# Altium PCB uAMDC.PcbDoc (part 5 of 6) (continued)
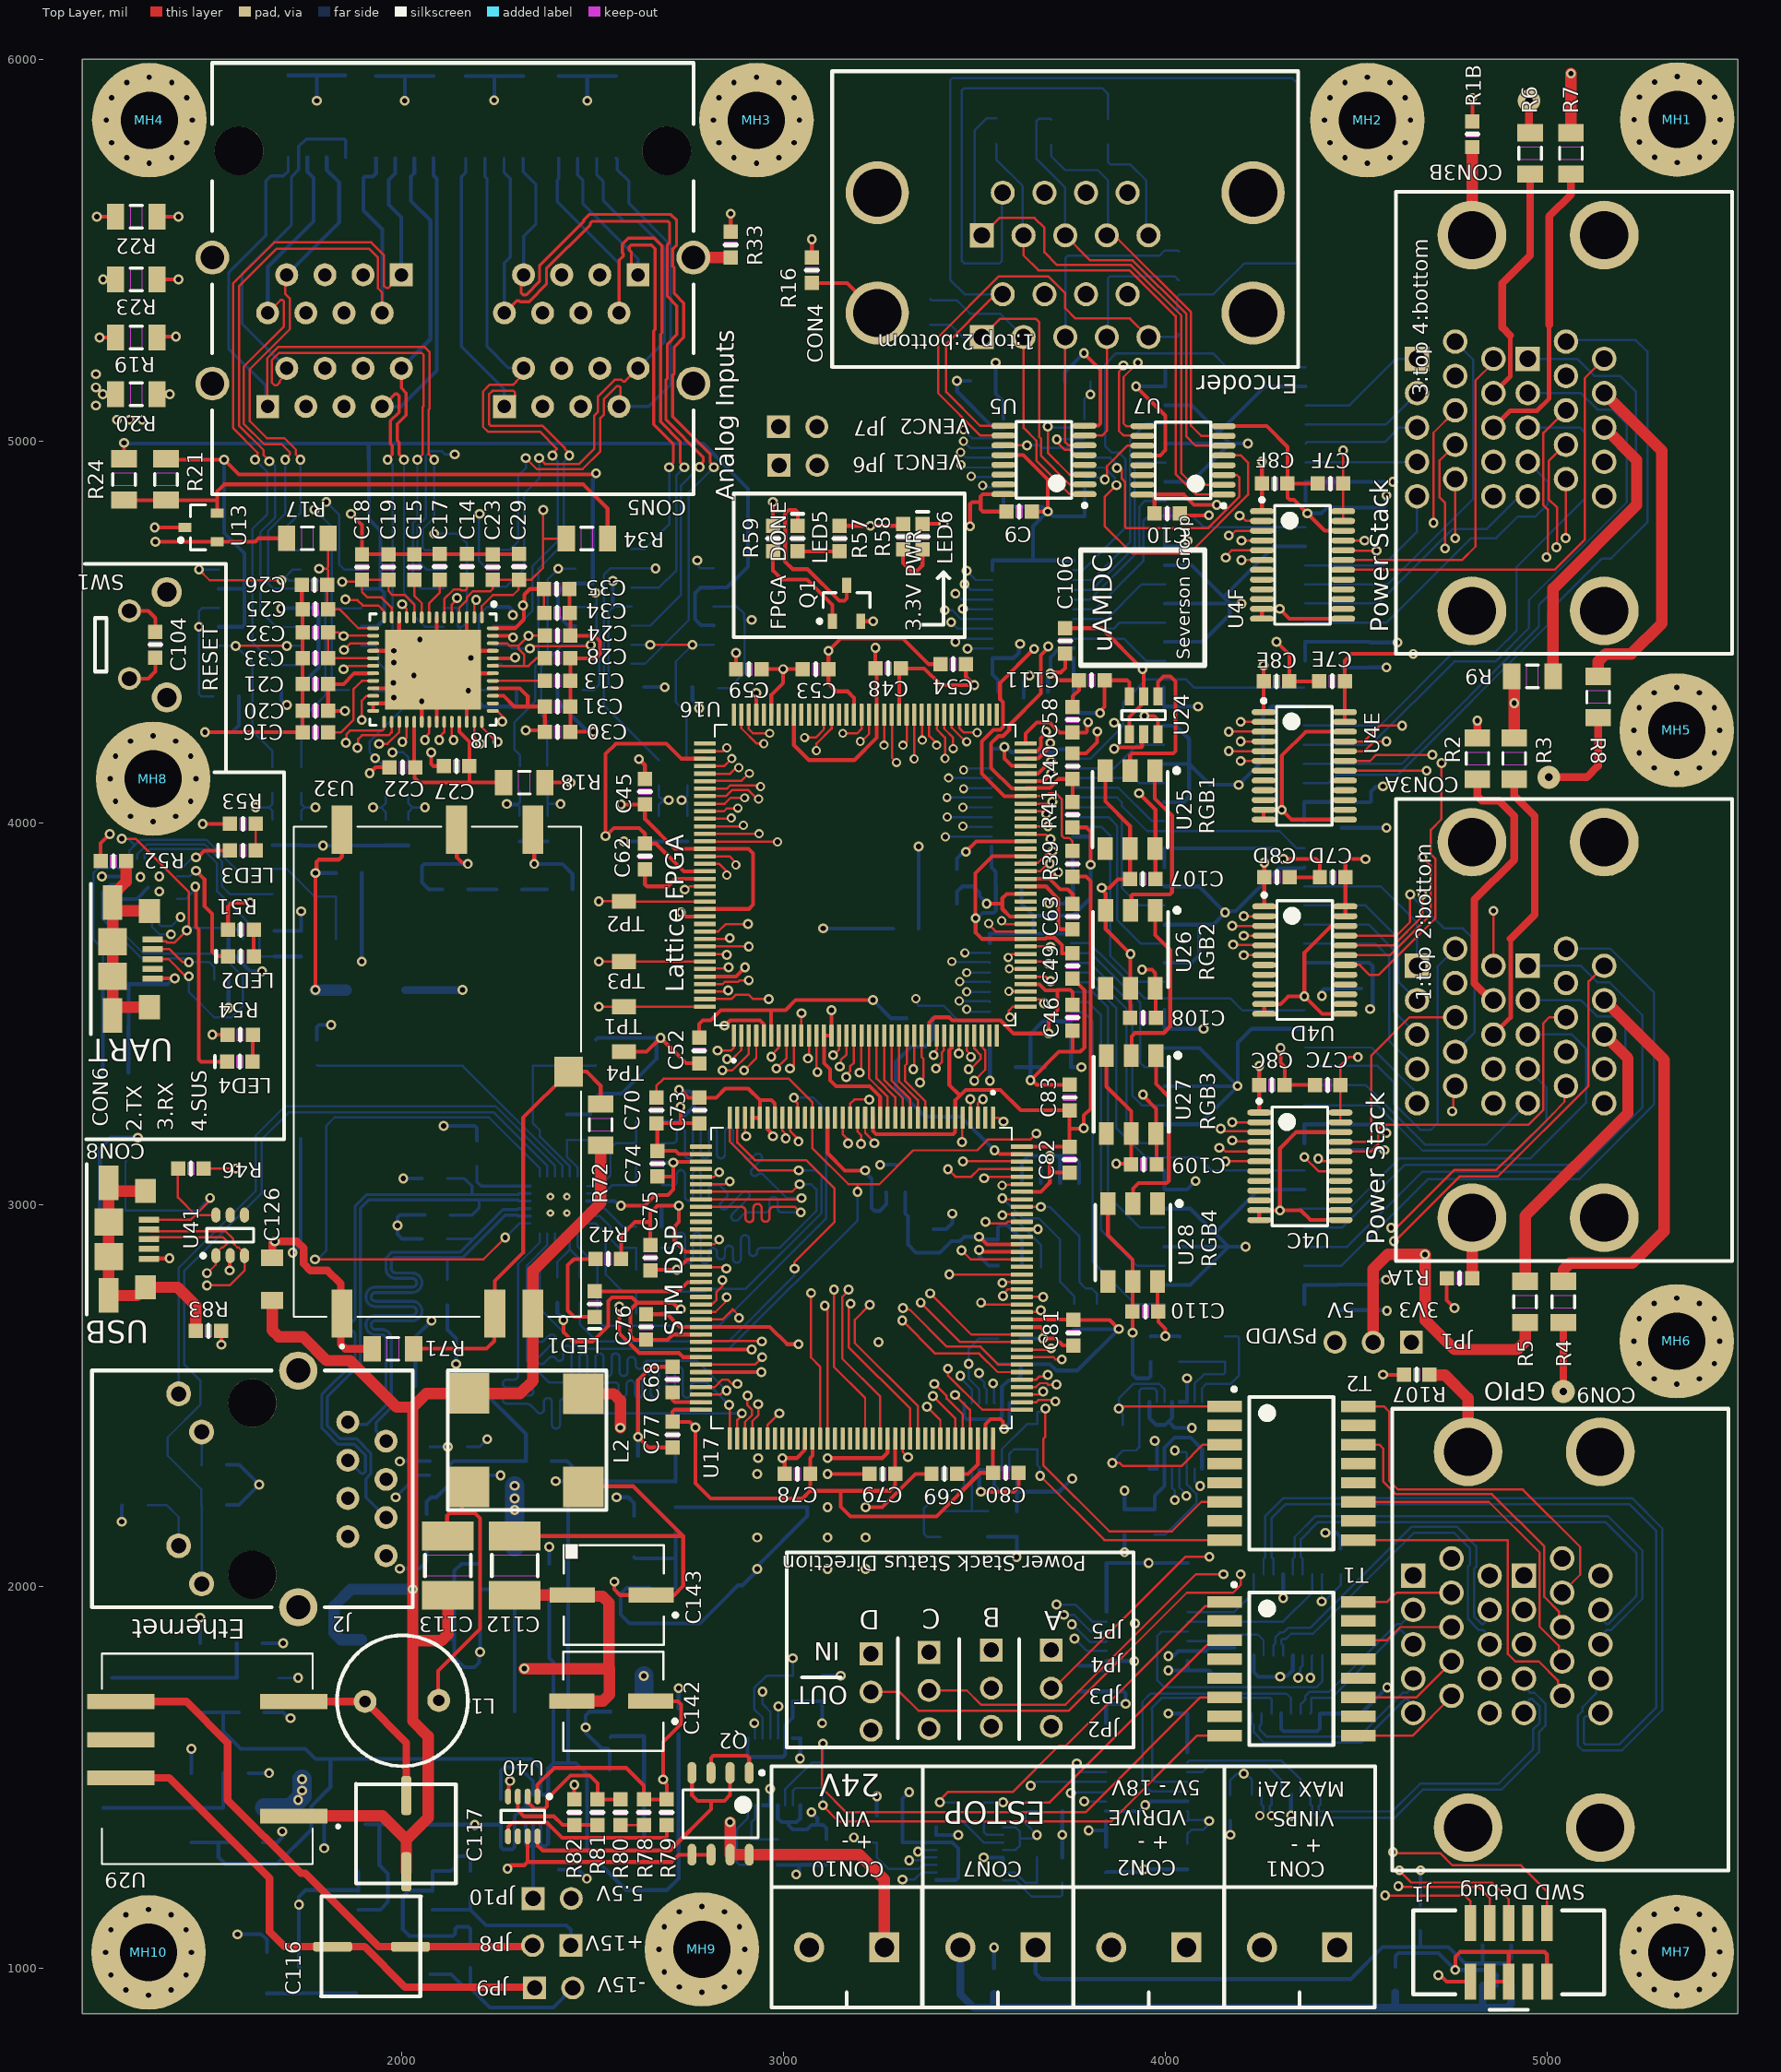
[diagram p0: Top Layer view]
## Nets (pads, with @x,y where several pads share a name; then routed paths per layer and width w, separated by ;. In a path a pad name is that pad's centre, name@x,y a point inside that pad or via, vN(x,y) a via of type N, cw(c..) or ccw(c..) an arc to the next point about the centre after c; other vN are vias at no path point) (continued)
  Bottom Layer w6: v2(3353.02,1305) 3356.57,1308.55 3400.04,1308.55 U20A.5@3400.8,1309.32
SPI1_SCLK: U17.126 U20A.4 | length 1780.5
  Top Layer w6: v2(3574.08,2794.76) 3576.39,2797.08 U17.126@3624.87,2797.08
  Int3 (Sign) w6: v2(3330,1282) 3289,1323 3289,2475.92 3552.08,2738.99 3552.08,2781.77 3567.09,2796.78 3569.11,2794.76 v2(3574.08,2794.76)
  Bottom Layer w6: v2(3330,1282) 3361.14,1282 3368.77,1289.63 U20A.4@3400.8,1289.63
SPI2_IM: CON9.10A T1.9 | length 288.8
  Top Layer w6: T1.9@4506,1609 4648.98,1609 4750,1710.02 CON9.10A@4750,1713
SPI2_IP: CON9.9A T1.11 | length 284.7
  Top Layer w6: T1.11@4506,1709 4658.98,1709 4750,1800.02 CON9.9A@4750,1803
SPI2_MISO: R47B.1 U17.28 U20B.3 | length 1765.3
  Top Layer w6: U17.28@3017.78,3227 3017.93,3226.84 3017.93,3192.79 3040,3170.72 v2(3040,3165)
  Int3 (Sign) w6: v2(3025.21,1811.5) 3025.21,2476.95 2985.5,2516.66 2985.5,3106.7 3040,3161.2 v2(3040,3165)
  Bottom Layer w6: U20B.3@2946.47,1601.6 2946.47,1655.83 2924,1678.3 2924,1733.24 2956.23,1765.46 R47B.1@3025.21,1765.46 v2(3025.21,1811.5)
SPI2_MOSI: U17.29 U20B.2 | length 1666.7
  Top Layer w6: U17.29@2998.09,3227 2998.39,3226.7 2998.39,3192.93 3009.95,3181.37 3006.58,3178 v2(3006.58,3173.03)
  Int3 (Sign) w6: v2(2924.47,1641.33) 2924.47,1670.39 2968,1713.91 2968,3134.46 v2(3006.58,3173.03)
  Bottom Layer w6: v2(2924.47,1641.33) 2926.02,1639.78 2926.02,1602.36 U20B.2@2926.79,1601.6
SPI2_NSS: U17.140 U20B.5 | length 1791.6
  Top Layer w6: v2(3526.3,3068.65) 3531.71,3068.65 3535.74,3072.67 U17.140@3624.87,3072.67
  Int3 (Sign) w6: v1(2987.51,1685.34) 3080,1777.83 3080,1841.78 3151,1912.78 3151,2498.37 3491.15,2838.52 3491.15,3034.23 3525.57,3068.65 v2(3526.3,3068.65)
  Bottom Layer w6: U20B.5@2985.84,1601.6 2986.61,1602.36 2986.61,1684.44 v1(2987.51,1685.34)
SPI2_SCLK: U17.117 U20B.4 | length 1968.8
  Top Layer w6: U17.117@3624.87,2619.91 3698.91,2619.91 v1(3702,2623)
  Int2 (Sign) w6: v2(3249.59,2639.59) 3249.59,2634.96 3261.55,2623 v1(3702,2623)
  Int3 (Sign) w6: v1(2946,1724.13) 2907.72,1685.84 2907.72,1669.3 2902.47,1664.06 2902.47,1632.22 2915.36,1619.33 2933.59,1619.33 2965.51,1651.26 2965.51,1694.46 2993.13,1722.07 2993.13,1724.13 3068,1799 3068,1858.99 3139,1929.99 3139,2528 3249.59,2638.59 v2(3249.59,2639.59)
  Bottom Layer w6: v1(2946,1724.13) 2946.47,1723.65 2946.47,1691.21 2966.16,1671.53 U20B.4@2966.16,1601.6
SPI3_IM: CON9.8B T2.14 | length 878.4
  Top Layer w6: T2.14@4506,2371 4561,2371 4571,2361 4571,2275 4605,2241 4856,2241 4993,2104 4993,1972.02 5031.02,1934 5031.02,1901.98 CON9.8B@5040,1893
SPI3_IP: CON9.7B T2.16 | length 978.9
  Top Layer w6: T2.16@4506,2471 4573,2471 4587,2457 4587,2275.97 4609.97,2253 4937,2253 5087,2103 5087,2030 CON9.7B@5040,1983
SPI3_MISO: R47C.1 U17.112 U20C.3 | length 800.3
  Top Layer w6: U17.112@3624.87,2521.49 3661.5,2521.49 3671.89,2531.87 3690.11,2531.87 3693.99,2528 v2(3716,2528)
  Int3 (Sign) w6: v2(3716,2528) 3856.98,2528 4025.42,2359.55 v1@4025.42,2355.46
  Bottom Layer w6: R47C.1@3972.74,2134.66 3999.93,2134.66 4082.05,2216.79 4082.05,2241.44 4057.53,2265.97 U20C.3@4057.53,2307.68 4057.53,2348.12 4054.01,2351.64 4029.25,2351.64 v1(4025.45,2355.44)
SPI3_MOSI: U17.122 U20C.2 | length 745.8
  Top Layer w6: U17.122@3624.87,2718.34 3665.27,2718.34 3669.59,2722.65 v2(3675,2722.65)
  Int3 (Sign) w6: v2(3675,2722.65) 3678.65,2719 3693,2719 4092,2320 v2(4092,2262.61)
  Bottom Layer w6: U20C.2@4077.21,2307.68 4077.21,2274.79 4089.39,2262.61 v2(4092,2262.61)
SPI3_NSS: U17.110 U20C.5 | length 597.2
  Top Layer w6: U17.110@3624.87,2482.12 3662.86,2482.12 3668.62,2487.87 3680.68,2487.87 3680.83,2487.72 3709.28,2487.72 v2(3713,2484)
  Int3 (Sign) w6: v2(3713,2484) 3767.24,2484 v1(4025.65,2225.59)
  Bottom Layer w6: U20C.5@4018.16,2307.68 4018.16,2258.19 4025.83,2250.51 4025.83,2225.78 v1(4025.65,2225.59)
SPI3_SCLK: U17.111 U20C.4 | length 625.6
  Top Layer w6: U17.111@3624.87,2501.8 3667.52,2501.8 3675.59,2509.87 v2(3681,2509.87)
  Int3 (Sign) w6: v2(3681,2509.87) 3684.87,2506 3786.38,2506 v1(4055.64,2236.74)
  Bottom Layer w6: U20C.4@4037.84,2307.68 4037.84,2258.31 4055.64,2240.51 v1(4055.64,2236.74)
SPI4_IM: CON9.10B T2.9 | length 894.8
  Top Layer w6: T2.9@4506,2121 4897.37,2121 4897.37,1822.63 4917,1803 4979,1803 5028.9,1753.1 5028.9,1724.1 CON9.10B@5040,1713
SPI4_IP: CON9.9B T2.11 | length 839.7
  Top Layer w6: T2.11@4506,2221 4848,2221 4980.8,2088.2 4980.8,2063.92 4981,2063.73 4981,1992.27 4980.8,1992.08 4980.8,1942 cw(c4940,1938) 4980.8,1934 4980.8,1894.21 5031.02,1844 5031.02,1811.98 CON9.9B@5040,1803
SPI4_MISO: R47D.1 U17.4 U20D.3 | length 1085.1
  Top Layer w6: U17.4@3490.22,3227 v2(3490.22,3276)
  Int3 (Sign) w6: v1(3485.94,2582.41) 3610,2706.47 3610,3042.83 3490.22,3162.61 v2(3490.22,3276)
  Bottom Layer w6: U20D.3@3513.47,2479.6 3513.47,2515.9 3485.94,2543.43 v1(3485.94,2582.41) 3485.94,2621.38 3513.15,2648.59 R47D.1@3562.94,2648.59
SPI4_MOSI: U17.5 U20D.2 | length 871.9
  Top Layer w6: v2(3468.22,3163.72) 3469.38,3164.88 3469.38,3225.84 U17.5@3470.54,3227
  Int3 (Sign) w6: v2(3463.94,2551.17) 3461.97,2553.15 3461.97,2595.52 3598,2731.55 3598,2881.65 3552.08,2927.57 3552.08,3078.14 3470.54,3159.68 3470.54,3161.41 v2(3468.22,3163.72)
  Bottom Layer w6: v2(3463.94,2551.17) 3463.94,2546.2 3463.69,2545.95 3493.79,2515.86 U20D.2@3493.79,2479.6
SPI4_NSS: U17.3 U20D.5 | length 962.3
  Top Layer w6: U17.3@3509.91,3227 3509.91,3265.65 3520.25,3276 v1(3523.1,3276)
  Int3 (Sign) w6: v1(3523.1,3276) 3524.1,3277 3566.4,3277 3635,3208.4 3635,2616.66 v2(3549.68,2531.34)
  Bottom Layer w6: v2(3549.68,2531.34) 3552.08,2528.94 3552.08,2480.36 U20D.5@3552.84,2479.6
SPI4_SCLK: U17.1 U20D.4 | length 848.5
  Top Layer w6: U17.1@3549.28,3227 3563.79,3227 3573.79,3217 v1(3577,3217)
  Int3 (Sign) w6: v1(3513.15,2558.26) 3564.53,2609.64 3575.45,2609.64 3623,2657.19 3623,3107.21 3577,3153.21 v1(3577,3217)
  Bottom Layer w6: v1(3513.15,2558.26) 3513.15,2547.34 3526.7,2533.79 3526.7,2521.63 3533.16,2515.17 U20D.4@3533.16,2479.6
SWCLK: J1.4 U17.109 | length 2410.5
  Top Layer w6: v2(3431.17,2570) 3431.17,2552.83 3521.57,2462.43 U17.109@3624.87,2462.43 ; v2(4611,1214.48) 4613.48,1212 4822.22,1212 4850,1184.22 J1.4@4850,1117.77
  Int3 (Sign) w6: v2(3431.17,2570) 3432.14,2569.03 3432.14,2551.86 3472,2512 3472,2429.21 4062.88,1838.33 4062.88,1762.6 v2(4611,1214.48)
SWDIO: J1.2 U17.105 | length 2195
  Top Layer w6: v2(3450,2500.94) 3488.95,2462 3488.95,2388.12 U17.105@3490.22,2386.84 ; v2(4576,1190) 4784,1190 4800,1174 J1.2@4800,1117.77
  Int3 (Sign) w6: v2(3450,2500.94) 3450,2417.59 4050.88,1816.71 4050.88,1715.12 v2(4576,1190)
SWO: J1.6 U17.133 | length 2617
  Top Layer w6: U17.133@3624.87,2934.87 U17.133@3624.87,2934.87 3666.94,2934.94 v2(3667,2935) ; v2@4613.48,1255 4644.48,1224 4856,1224 4900,1180 J1.6@4900,1117.77
  Int3 (Sign) w6: v2(3667,2935) 3860.02,2741.98 4071.02,2741.98 4245,2568 4245,1624.66 4594.16,1275.5 v2(4613.89,1255.77)
TX_N: J2.2 R85.1 U42.4 U43.20 | length 1784.2
  Int3 (Sign) w8: J2.2@1960,2380 2021.98,2380 2065.48,2423.5 2186.59,2423.5 v2(2225,2385.09)
  Bottom Layer w8: J2.2@1960,2380 1960,2380.77 1934,2406.77 1934,2428.19 1974,2468.19 1974,2495.9 1974,2647 ccw(c1948.5,2647) 1948.5,2672.5 1932.5,2672.5 cw(c1932.5,2684) 1932.5,2695.5 2028.5,2695.5 ccw(c2028.5,2721) 2028.5,2746.5 1932.5,2746.5 cw(c1932.5,2758) 1932.5,2769.5 2028.5,2769.5 ccw(c2028.5,2795) 2028.5,2820.5 1985.5,2820.5 cw(c1985.5,2832) 1974,2832 1974,2843 1974,2854 1981,2861 2120.46,2861 ; R85.1@2120.46,2802.96 2120.46,2861 ; U42.4@2173.21,2365.4 2205.32,2365.4 v2(2225,2385.09) ; U43.20@2337.2,2969.47 2306,2969.47 2303.16,2972.31 2272.31,2972.31 2161,2861 2120.46,2861
TX_P: J2.1 R90.1 U42.3 U43.21 | length 1843
  Int3 (Sign) w8: J2.1@1860,2430 1861.4,2428.6 1861.4,2388 1909.4,2340 1976.57,2340 1998.57,2362 2118.6,2362 v1(2122,2365.4)
  Bottom Layer w8: J2.1@1860,2430 1866.07,2423.93 1909.94,2423.93 1960,2473.99 1960,2495.9 1960,2647 ccw(c1948.5,2647) 1948.5,2658.5 1932.5,2658.5 cw(c1932.5,2684) 1932.5,2709.5 2028.5,2709.5 ccw(c2028.5,2721) 2028.5,2732.5 1932.5,2732.5 cw(c1932.5,2758) 1932.5,2783.5 2028.5,2783.5 ccw(c2028.5,2795) 2028.5,2806.5 1985.5,2806.5 cw(c1985.5,2832) 1960,2832 1960,2843 1960,2859.8 1975.2,2875 2155.2,2875 2190.2,2910 ; U42.3@2074.79,2365.4 v1(2122,2365.4) ; R90.1@2120.46,2910 2190.2,2910 ; U43.21@2337.2,2989.16 2306,2989.16 2303.16,2986.31 2266.52,2986.31 2190.2,2910
UART_USB_D_N: CON6.2 U21.4 U22.3 | length 610.1
  Top Layer w6: CON6.2@1349.32,3668.32 1393.47,3668.32 1427.04,3634.75 v1(1443.8,3634.75)
  Bottom Layer w6: U21.4@1261.37,3839.63 1238.18,3839.63 1216.22,3817.67 1216.22,3748.78 1320.25,3644.75 1430.29,3644.75 1440.29,3634.75 1496.95,3634.75 1510.2,3621.49 U22.3@1510.2,3589.57
UART_USB_D_P: CON6.3 U21.3 U22.1 | length 929.2
  Top Layer w6: CON6.3@1349.32,3642.72 1390.56,3642.72 1435.83,3597.45 v1(1443.8,3597.45)
  Bottom Layer w6: U21.3@1261.37,3819.94 1236.2,3819.94 1228.22,3811.97 1228.22,3753.75 1325.22,3656.75 1525.71,3656.75 1585.01,3597.45 1585.01,3520.01 1555,3490 1510,3490 1443.8,3556.2 v1(1443.8,3597.45)
USB_D_N: CON8.2 U17.103 U41.3 | length 2647.5
  Top Layer w6: CON8.2@1338.86,2934.57 1343.65,2929.78 1539.87,2929.78 1560,2909.65 1560,2898.05 1570.48,2887.57 1573.82,2887.57 1589.4,2871.99 U41.3@1589.4,2865.85 1589.4,2827 1550.53,2788.13 v2(1491,2788.13) ; v2(3392,2498) 3450.85,2439.15 U17.103@3450.85,2386.84
  Int2 (Sign) w6: v2(1491,2788.13) 1496.41,2788.13 1504.41,2796.13 1527.66,2796.13 1534.79,2789 1566.27,2789 1573.39,2796.13 2427.72,2796.13 2541.69,2682.16 2830.95,2682.16 2873.76,2724.97 2941.24,2724.97 2980.21,2686 3149.45,2686 3171.19,2664.25 3195.55,2639.89 3329.45,2506 3378.59,2506 3386.59,2498 v2(3392,2498)
USB_D_P: CON8.3 U17.104 U41.1 | length 2567.4
  Top Layer w6: CON8.3@1338.86,2908.98 1343.65,2913.78 1533.24,2913.78 1544,2903.02 1544,2898.05 1533.52,2887.57 1530.18,2887.57 1514.6,2871.99 U41.1@1514.6,2865.85 1513.59,2864.85 1513.59,2841.55 1492.17,2820.13 v2(1491,2820.13) ; v2(3396,2530) 3398,2530 3398,2528 3428,2498 3428,2491.83 3470.54,2449.3 U17.104@3470.54,2386.84
  Int2 (Sign) w6: v2(1491,2820.13) 1496.41,2820.13 1504.41,2812.13 1534.29,2812.13 1541.41,2805 1559.64,2805 1566.77,2812.13 2434.34,2812.13 2548.31,2698.16 2824.32,2698.16 2867.13,2740.97 2947.87,2740.97 2986.84,2702 3156.07,2702 3336.07,2522 3382.59,2522 3390.59,2530 v2(3396,2530)
USB_OTG_FS_VBUS: R46.1 U17.101 | length 2625.6
  Top Layer w6: R46.1@1482.48,3094 v1(1567,3094) ; v2(3376.43,2470.05) 3411.48,2434.99 U17.101@3411.48,2386.84
  Int2 (Sign) w6: v1(1567,3094) 1567,3068 1556.5,3057.5 1476.5,3057.5 1466,3047 1466,2776.89 1579.89,2663 3155.48,2663 3348.43,2470.05 v2(3376.43,2470.05)
USB_UART_RXD: U17.34 U21.20 | length 1924.8
  Top Layer w6: U17.34@2899.67,3227 2899.67,3182.01 v2(2902.9,3178.78)
  Int2 (Sign) w6: v2(1421.8,3752.52) 1635.36,3752.52 1707.89,3680 2011,3680 2368.56,3322.44 2877.11,3322.44 2902.9,3296.65 v2(2902.9,3178.78)
  Bottom Layer w6: U21.20@1366.69,3754 1366.69,3732.77 1370.2,3729.25 1398.53,3729.25 v2(1421.8,3752.52)
USB_UART_TXD: U17.139 U21.21 | length 2590.7
  Top Layer w6: v3(3573.08,3050.05) 3575.35,3052.33 3624.21,3052.33 U17.139@3624.87,3052.98
  Int2 (Sign) w6: v2(1396.78,3707.25) 1441.2,3662.84 1998.16,3662.84 2529.41,3131.59 3243.11,3131.59 3246.25,3134.73 3491.33,3134.73 3573.08,3052.98 v3(3573.08,3050.05)
  Bottom Layer w6: U21.21@1347,3754 1347,3727.13 1366.38,3707.75 1396.29,3707.75 v2(1396.78,3707.25)
V_AA: R35A.2 U14A.2 U14A.13 | length 572.2
  Top Layer w6: v2(1566.01,4463) v1(1700.5,4463)
  Bottom Layer w6: U14A.2@1521.72,4463 v2(1566.01,4463) 1610,4419.01 1610,4240.75 1662.75,4188 R35A.2@1662.75,4145.46 ; v1(1700.5,4463) U14A.13@1736.28,4463
V_AB: R35B.2 U14B.2 U14B.13 | length 735
  Bottom Layer w6: U14B.2@1895.72,4463 1931.49,4463 1940.01,4454.48 1940.01,4419.32 1962.01,4397.32 1997.42,4397.32 ; R35B.2@1958.75,4142.59 1932.36,4168.98 v2(1931.7,4168.98) 1931.7,4170.48 1916.89,4185.29 1916.89,4212 2010,4305.11 2010,4384.74 1997.42,4397.32 ; U14B.13@2110.28,4463 2144.31,4463 2147.83,4459.49 2147.83,4404.38 2134.6,4391.16 2063.32,4391.16 2041.36,4413.12 2007,4413.12 1997.42,4403.53 1997.42,4397.32
V_BA: R36A.2 U14A.6 U14A.9 | length 953.6
  Top Layer w6: v2(1470,4663) 1498,4635 v1(1686.47,4635)
  Bottom Layer w6: v2(1470,4663) U14A.6@1521.72,4663 ; v1(1686.47,4635) 1688.2,4635 1696.66,4643.46 ; U14A.9@1736.28,4663 1716.2,4663 1696.66,4643.46 ; R36A.2@1737.75,4145.46 1738,4145.72 1738,4270.73 1801,4333.73 1801,4615.87 1782.87,4634 1706.11,4634 1696.66,4643.46
V_BB: R36B.2 U14B.6 U14B.9 | length 2141.3
  Int4 (PWR) w6: v1(1803.66,4840) 1783.66,4860 ; v2(1977,4184) 1977,4226.48 1960.65,4242.83 1847.17,4242.83 1736,4354 1736,4841 1755,4860 1783.66,4860 ; v2(2140,4964.51) 2116.98,4987.53 1821.19,4987.53 1783.66,4950 1783.66,4860
  Bottom Layer w6: v1(1803.66,4840) 1803.66,4838.67 1804.99,4838.67 1837.66,4806 1837.66,4675.97 1850.63,4663 U14B.6@1895.72,4663 ; v2(1977,4184) 2005.1,4184 2018.75,4170.35 R36B.2@2018.75,4142.59 ; U14B.9@2110.28,4663 2065.99,4663 2042,4686.99 2042,4775.87 2064,4797.87 2064,4960.11 2076.89,4973 2106.05,4973 2114.54,4964.51 v2(2140,4964.51)
V_CA: R37A.2 U15A.2 U15A.13 | length 1060.4
  Int3 (Sign) w6: v2(2205,4808.87) 2205.36,4809.23 2227,4809.23 2238.77,4821 2254.99,4821 v2(2410.99,4665)
  Bottom Layer w6: v2(2205,4808.87) 2203.17,4807.04 2203.17,4685.81 2223.98,4665 U15A.13@2240.72,4665 ; R37A.2@2311,4148.34 2311,4176.89 2296,4191.89 2296,4262.49 2350.3,4316.79 2350.3,4409.96 2383.43,4443.1 2383.43,4637.44 v2(2410.99,4665) U15A.2@2455.28,4665
V_CB: R37B.2 U15B.2 U15B.13 | length 864.1
  Int2 (Sign) w6: v2(2666,4666) 2754,4666 v2(2775,4687)
  Bottom Layer w6: v2(2666,4666) U15B.13@2603.43,4666 2546.81,4666 2530,4649.19 2530,4308.34 R37B.2@2674,4164.34 ; v2(2775,4687) 2778.83,4683.17 2778.83,4670.85 2783.68,4666 U15B.2@2818,4666
V_DA: R38A.2 U15A.6 U15A.9 | length 681.9
  Top Layer w6: v2(2336.95,4456.05) 2342.78,4461.88 2492.77,4461.88 v1(2496,4465.12)
  Bottom Layer w6: U15A.9@2240.72,4465 2281.84,4465 2290.79,4456.05 v2(2336.95,4456.05) ; R38A.2@2382,4149.34 2382,4266.65 2366.25,4282.4 2366.25,4408.95 2422.36,4465.06 2455.34,4465.06 2495.94,4465.06 v1(2496,4465.12)
V_DB: R38B.2 U15B.6 U15B.9 | length 546.7
  Top Layer w6: v2(2651.9,4466) v2(2762.54,4466)
  Bottom Layer w6: U15B.9@2603.43,4466 v2(2651.9,4466) ; R38B.2@2749,4164.34 2746.83,4166.51 2746.83,4287.88 2719,4315.71 2719,4422.46 v2(2762.54,4466) U15B.6@2818,4466
VDDPS: C7C.1 C7D.1 C7E.1 C7F.1 JP1.2 R3.2 R5.2 R7.2 R9.2 U4C.23 U4C.24 U4D.23 U4D.24 U4E.23 U4E.24 U4F.23 U4F.24 | length 6177
  Top Layer w6: U4C.23@4459.3,3215.16 U4C.24@4459.3,3240.75 C7C.1@4459.3,3313 4459.3,3364.3 4481,3386 v1(4505,3386) ; U4F.23@4466.3,4790.16 U4F.24@4466.3,4815.75 C7F.1@4466.3,4887.98 v1(4466.3,4975)
  Top Layer w10: U4E.23@4471,4264 U4E.24@4471,4289.59 C7E.1@4471,4370.24 4471,4424 4489,4442 v1(4650,4442) ; U4D.23@4472.3,3755.16 U4D.24@4472.3,3780.75 C7D.1@4472.3,3856.83 4472.3,3895 4481.84,3904.54 v1(4525,3904.54)
  Top Layer w30: JP1.2@4545,2639 4545,2831 4583,2869 v2(4681,2869) 4681,2697 4758,2620 4922.45,2620 4943,2640.55 R5.2@4943,2690.61 ; R9.2@4907.87,4383.13 4914.54,4376.46 v2(4914.54,4313.25) R3.2@4914.54,4222.13 ; R7.2@5063,5807.13 v1(5063,5962)
  Int4 (PWR) w30: v1(4466.3,4975) 4510,4975 ; v1(4505,3386) 4570.89,3386 ; v1(4525,3904.54) 4567.54,3904.54 4570.89,3907.89 ; v2(4681,2869) 4681,3169.05 4638.05,3212 4570.89,3279.16 4570.89,3386 ; v2(4914.54,4313.25) 4797.25,4313.25 4751,4267 ; v1(5063,5962) 4771,5962 4713,5904 4713,5605.43 4510,5402.43 4510,4975 ; 4510,4975 4510,4878.98 4650,4738.98 v1(4650,4442) 4650,4368 4751,4267 ; 4570.89,3386 4570.89,3907.89 ; 4570.89,3907.89 4758,4095 4758,4260 4751,4267
VDRIVE: C2A.1 C2B.1 C2C.1 C3A.1 C3B.1 C3C.1 C5A.1 C5B.1 C5C.1 C6A.1 C6B.1 C6C.1 CON2.1 U1A.15 U1A.16 U1B.15 U1B.16 U1C.15 U1C.16 U3A.15 U3A.16 U3B.15 U3B.16 U3C.15 U3C.16 | length 7592.8
  Int3 (Sign) w10: v1(4536.89,3511.78) 4609,3511.78 ; v1(4570.89,4095) 4571.74,4094.15 4609,4094.15 ; v1(4580,3187) 4609,3187
  Int3 (Sign) w20: CON2.1@4056,1054 4056,993.86 4102.86,947 5043,947 5150,1054 5150,1196 5340,1386 5340,2388 4925.29,2802.71 4645,2802.71 ; v2(4579,2802.71) 4645,2802.71 ; v1(4597,4893) 4597,4891.38 4609,4879.38 v1(4609,4472) 4609,4338.83 4592,4321.83 4592,4241.83 4609,4224.83 4609,4094.15 4609,3511.78 4609,3187 4609,3158 4645,3122 4645,2802.71
  Bottom Layer w10: U3B.16@4363.93,4004 U3B.15@4363.93,4054 4461.46,4054 C5B.1@4462,4053.46 C6B.1@4537,4053.46 4539.3,4055.76 4539.3,4081.31 4552.14,4094.15 4570.04,4094.15 v1(4570.89,4095) ; U3C.16@4364.93,3160 U3C.15@4364.93,3210 4450.46,3210 C5A.1@4451,3209.46 C6A.1@4518,3209.46 4574,3209.46 4576.94,3206.53 4576.94,3190.06 v1(4580,3187) ; U1B.16@4364.93,3583 U1B.15@4364.93,3633 4451.46,3633 C2C.1@4453,3631.46 4454,3632.46 C3C.1@4514,3632.46 4514.54,3633 4534.96,3633 4543.7,3624.26 4543.7,3517.64 4537.84,3511.78 v1(4536.89,3511.78) ; U1C.16@4365,2739 U1C.15@4365,2789 C5C.1@4453,2789 4454.34,2790.34 C6C.1@4520,2790.34 4553.38,2790.34 4565.75,2802.71 v2(4579,2802.71) ; U1A.16@4366.93,4424 U1A.15@4366.93,4474 4465.59,4474 C3B.1@4466,4473.59 4466.13,4473.46 C2B.1@4536,4473.46 4536.54,4474 4538.54,4472 v1(4609,4472) ; U3A.16@4367.93,4843 U3A.15@4367.93,4893 4458.46,4893 C3A.1@4459,4892.46 C2A.1@4538,4892.46 4538.54,4893 v1(4597,4893)
VENCODER1: CON4.7T JP6.2 | length 903.3
  Int4 (PWR) w30: JP6.2@3089,4936 3094.24,4936 3121.57,4963.34 3198.57,4963.34 3399.18,5163.94 3399.18,5299.18 3536.35,5436.35 3628.37,5436.35 3680.87,5383.86 CON4.7T@3684.06,5383.86
VENCODER2: CON4.7B JP7.2 | length 1101.6
  Int4 (PWR) w30: JP7.2@3088,5037 3088.13,5037.13 3167.13,5037.13 3350.13,5220.13 3350.13,5317.08 3423.93,5390.87 3423.93,5610.13 3543.93,5730.13 3603.93,5730.13 CON4.7B@3684.06,5650
VIN: C142.1 CON10.1 Q2.7 Q2.8 R78.1 R79.1 U40.1 | length 1714.2
  Top Layer w10: U40.1@2356.39,1449.17 2356.39,1480.16 2400.23,1524 2589.25,1524 2635,1478.25 R78.1@2635,1441.46 R79.1@2695,1441.46 2695,1480.67 2686,1489.67 2686,1592.6 2733,1639.6 2733,1690 2724,1699 C142.1@2653,1699
  Top Layer w30: v2(2861,1382.21) Q2.7@2861,1296.72 Q2.8@2911,1296.72 3199.66,1296.72 3265,1231.38 CON10.1@3265,1054
  Int2 (Sign) w10: v2(2686,1494) 2749.21,1494 v2(2861,1382.21)
VIN2: C117.1 C122.1 C126.2 CON9.6A CON9.6B L1.2 R71.2 U29.4 U32.1 | length 8793.2
  Top Layer w20: C126.2@1662,2860.43 1662,2903.02 1726.91,2903.02 1744.46,2885.47 1744.46,2844.53 1761.99,2827 1807.12,2827 1841.63,2792.49 1841.63,2633.72 1853.35,2622 R71.2@1923.87,2622 ; U29.4@1718.38,1698 L1.2@1905,1698 2013,1590 C117.1@2013,1452
  Int4 (PWR) w20: v1(1669,2903.02) v1@1662,2903.02 ; L1.2@1905,1698 1595.74,1698 1525,1768.74 1525,1897.16 1525.5,1897.66 1525.5,2549.5 1425,2650 1425,2842 1486.02,2903.02 v1@1662,2903.02 ; v2(2160.68,3561.66) 2160.68,3390.68 2085,3315 1723,3315 1662,3254 v1@1662,2903.02 ; CON9.6A@4750,2073 CON9.6A@4753,2076 ; CON9.6B@5037,2076 CON9.6B@5040,2073
  Int3 (Sign) w20: L1.2@1905,1698 1910.15,1698 2306.15,1302 2865,1302 3014,1153 4855,1153 4997,1295 4997,1457.12 5105.44,1565.56 5250,1710.12 5250,2045 5219,2076 5043,2076 CON9.6B@5040,2073 5037,2076 4753,2076 CON9.6A@4750,2073
  Bottom Layer w20: C122.1@2010.07,3561.66 v2(2160.68,3561.66)
VIN_ETH: C150.2 C154.2 C155.2 C156.2 C157.2 R67.1 U43.1 U43.19 | length 2826.1
  Top Layer w6: v2(1774,2856) 2214.94,2856 v1(2272.31,2913.37)
  Int4 (PWR) w10: v1(1730,1760) 1796,1826 1796,1853 1796,2380 1757.07,2418.93 1757.07,2495.07 1791,2529 1791,2590.27 1774,2607.27 v2(1774,2856)
  Bottom Layer w6: R67.1@1677.6,1760 v1(1730,1760) ; v2(1774,2856) 1781.37,2856 1803.34,2877.96 C157.2@1803.34,2925 C156.2@1803.34,2988 C155.2@1803.34,3050 C154.2@1803.34,3109 C150.2@1803.34,3172 1803.34,3206 1825.34,3228 2229.49,3228 2362.79,3094.7 U43.1@2362.79,3073.8 ; v1(2272.31,2913.37) 2308.73,2949.79 U43.19@2337.2,2949.79
VIN_FPGA: C46.1 C53.1 C54.1 C62.1 C63.1 R76.1 U16.27 U16.40 U16.54 U16.92 U16.111 U16.126 | length 7300.2
  Top Layer w10: U16.126@2795,3872.43 2739.76,3872.43 2666.92,3945.26 C62.1@2638,3945.26 2638,3970.85 2623,3985.85 2556.98,3985.85 2536.13,3965 v1(2535,3965) 2535,4180 2562.07,4207.07 2693.88,4207.07 2733.25,4167.7 U16.111@2795,4167.7 ; U16.92@3185.55,4282.66 3185.55,4326.9 3168.45,4344 3140,4344 3118.5,4365.5 C53.1@3118.5,4402.14 v2(3118.5,4450) 3150.83,4482.33 3313.87,4482.33 3381.2,4415 C54.1@3411.54,4415 ; U16.27@3382.4,3442.5 3382.91,3443.02 3382.91,3476.41 3396.67,3490.17 3434.86,3490.17 3442.59,3482.44 3569.07,3482.44 3603.81,3447.7 v1(3695,3447.7) 3695,3485.7 3717.79,3508.49 3717.79,3561.83 ; U16.40@3635.16,3577.15 3635.67,3576.64 3671,3576.64 3686.64,3561 3716.96,3561 3717.79,3561.83 ; U16.54@3635.16,3852.74 3697.97,3852.74 ; v1(3720.3,3869.63) 3714.87,3869.63 3697.97,3852.74 ; C46.1@3758,3522.52 3758,3555.98 3752.14,3561.83 3717.79,3561.83 ; C63.1@3758,3787.78 3758.59,3788.37 3758.59,3811.81 3745.44,3824.96 3725.75,3824.96 3697.97,3852.74
  Int4 (PWR) w20: v1(2635,1765) 2635,2195 2680,2240 2680,2810 2635,2855 2635,3790 2535,3890 v1(2535,3965) 2876.5,4306.5 2876.5,4366.5 2960,4450 v2(3118.5,4450) 3232.5,4336 3389,4336 3400,4325 3845,4325 3865.43,4304.57 3865.43,4262.71 v1(3866.57,4261.57) 3900,4228.14 3900,3830 3833.96,3763.96 ; v1(3695,3447.7) 3790,3542.7 3790,3720 3833.96,3763.96 ; v1(3720.3,3869.63) 3724.8,3869.63 3726.18,3868.26 3729.66,3868.26 3833.96,3763.96
  Bottom Layer w50: R76.1@2635.73,1715.8 v1@2635.73,1765
VIN_PS: CON1.1 R2.2 R4.2 R6.2 R8.2 | length 7618.2
  Top Layer w20: R2.2@4818,4222.13 v2(4818,4267) ; v6(4953,5891) 4953,5810.13 R6.2@4956,5807.13 ; v6(5005,4119) 5104.47,4119 5134,4148.53 R8.2@5134,4274.87 ; v6(5043,2510) R4.2@5043,2690.61
  Int4 (PWR) w20: v2(4818,4267) 4988,4267 5005,4250 5005,4131 5006,4130 5000,4124 v6(5005,4119)
  Int4 (PWR) w50: CON1.1@4450.85,1054 5069,1054 5465,1450 5465,2255 5210,2510 ; v6(4953,5891) 4953,5543.67 5093.67,5403 5216,5403 5347,5272 5347,4504.97 5122.13,4280.1 5122.13,4182.87 5185,4120 ; v6(5005,4119) 5006,4120 5185,4120 ; v6(5043,2510) 5210,2510 ; 5185,4120 5465,3840 5465,3040 5135,2710 5135,2585 5210,2510
VREF: C18.1 C19.1 C23.1 C24.1 C28.1 C29.1 C32.1 C33.1 R34.2 U8.1 U8.4 U8.10 U8.13 U8.16 U8.19 U8.47 U8.50 | length 3070.4
  Top Layer w6: v2(1845,4631) 1892.19,4631 C18.1@1897.09,4635.89 ; v2(1848.53,4489) 1844.77,4489 1835.77,4498 C32.1@1808.46,4498 C33.1@1808.46,4430.53 U8.19@1926.5,4430.53 ; v2@1848.53,4489.37 1848.63,4489.48 1926.4,4489.48 U8.16@1926.5,4489.58 ; U8.13@1974.73,4537.81 1974.73,4563.27 1948.21,4589.79 1911.14,4589.79 1897.09,4603.85 C18.1@1897.09,4635.89 ; U8.10@2033.79,4537.81 2033.79,4571.33 2008.97,4596.14 1977.22,4596.14 1966,4607.36 C19.1@1966,4635.89 C18.1@1897.09,4635.89 ; U8.4@2151.9,4537.81 2151.9,4563.56 2172,4583.66 2172,4590.67 2187.33,4606 2233.02,4606 2239.5,4612.48 C23.1@2239.5,4635.89 2307.23,4635.89 2307.23,4610.8 2292.68,4596.25 2239.81,4596.25 2210.95,4567.4 U8.1@2210.95,4537.81 ; U8.47@2239.5,4410.84 2321.78,4410.84 ; U8.50@2239.5,4469.9 2276.94,4469.9 2283.57,4463.27 2306.62,4463.27 ; C29.1@2308,4636.66 2340.71,4636.66 2371.62,4667.57 2371.62,4743.37 ; v2(2371.62,4819.17) 2371.62,4743.37 ; C28.1@2375.87,4430.53 2375.78,4430.62 2353.2,4430.62 2333.43,4410.84 2321.78,4410.84 ; C24.1@2375.87,4489.58 2375.8,4489.5 v2(2332.86,4489.5) 2306.62,4463.27 ; R34.2@2431.87,4744 2372.25,4744 2371.62,4743.37 ; 2306.62,4463.27 2306.62,4455.26 2321.78,4440.11 2321.78,4410.84
  Int4 (PWR) w6: v2(1845,4631) 1818,4631 ; v2(1848.53,4489) 1818,4519.53 1818,4631 ; v2(2332.86,4489.5) 2315.09,4507.27 2282.73,4507.27 2270,4520 2270,4819.17 ; v2(2371.62,4819.17) 2270,4819.17 ; 1818,4631 1818,4812 1836.87,4830.87 2214.11,4830.87 2225.81,4819.17 2270,4819.17
VREFA: R21.2 U14A.3 U14A.5 U15A.3 U15A.5 | length 2245
  Top Layer w10: R21.2@1384,4953.13 1386.13,4951 v2(1536,4951) 1575,4912 2507,4912 v1(2510,4915)
  Bottom Layer w10: U14A.3@1521.72,4513 1583.14,4513 1589,4518.86 1589,4613 ; U14A.5@1521.72,4613 1589,4613 ; v2(1536,4951) 1536,4759 1589,4706 1589,4613 ; U15A.5@2455.28,4515 2438.55,4515 2410,4543.55 2410,4602.5 2434,4626.5 2501.65,4626.5 2501.65,4899.32 2510,4907.67 v1(2510,4915)
VREFB: R24.2 U14B.3 U14B.5 U15B.3 U15B.5 | length 2815.6
  Top Layer w10: R24.2@1274,4953.13 v2(1274,4995)
  Bottom Layer w10: v2(1274,4995) 1276.16,4992.84 1914.69,4992.84 ; U14B.3@1895.72,4513 1936,4513 1955,4532 1955,4603 1945,4613 ; U14B.5@1895.72,4613 1945,4613 ; U15B.5@2818,4516 2816.68,4517.32 2784.68,4517.32 2769,4533 2769,4601 2783.68,4615.68 2817.68,4615.68 U15B.3@2818,4616 2853,4616 2908,4671 2908,4875 2790.16,4992.84 1914.69,4992.84 ; 1914.69,4992.84 1914.69,4951.31 1915,4951 1915,4794.84 1945,4764.84 1945,4613
pads on no net: CON5. CON6.4 CON8.4 J1.7 J1.8 J2.7 J2.MH1 J2.MH2 J2.SH1 J2.SH2 T1.2 T1.4 T1.5 T1.7 T1.10 T1.12 T1.13 T1.15 T2.2 T2.4 T2.5 T2.7 T2.10 T2.12 T2.13 T2.15 U5.4 U5.13 U5.14 U5.15 U7.4 U7.13 U7.14 U7.15 U8.42 U14A.1 U14A.7 U14B.1 U14B.7 U15A.1 U15A.7 U15B.1 U15B.7 U16.35 U16.36 U16.50 U16.51 U16.58 U16.62 U16.73 U16.74 U16.75 U16.76 U16.77 U16.93 U16.94 U16.97 U16.98 U16.99 U16.101 U16.102 U16.104 U16.108 U16.109 U16.129 U16.133 U17.2 U17.7 U17.8 U17.9 U17.22 U17.24 U17.26 U17.37 U17.40 U17.46 U17.47 U17.48 U17.49 U17.54 U17.56 U17.57 U17.68 U17.77 U17.79 U17.80 U17.81 U17.82 U17.87 U17.88 U17.89 U17.90 U17.92 U17.99 U17.100 U17.102 U17.128 U17.132 U21.1 U21.10 U21.11 U21.12 U21.15 U21.16 U21.18 U21.19 U21.22 U21.23 U21.24 U22.4 U23.5 U25.4 U26.4 U27.4 U28.1 U28.4 U29.6 U34.4 U34.5 U38.2 U38.3 U38.4 U38.6 U38.8 U40.6 U41.4

## Polygon pours and split planes (outlines as drawn)
5V on Top Layer "NONET_L01_P007" (solid, shelved, pour order 7): 1165,6000 5500,6000 5500,880 1165,880
no net on Top Layer "NONET_L01_P000" (solid, shelved, pour order 0): 1162,6005
SH_SPI on Int3 (Sign) "NONET_L04_P020" (solid, shelved, pour order 20): 4660,2485 5325,2485 5325,1224 4660,1224
SH_GND_INV_1 on Int3 (Sign) "NONET_L04_P019" (solid, shelved, pour order 19): 4650,4062 5340,4062 5340,2852 4650,2852
SH_GND_INV_2 on Int3 (Sign) "NONET_L04_P017" (solid, shelved, pour order 17): 5335,5640 5335,4435 4650,4435 4650,5640
no net on Int3 (Sign) "NONET_L04_P011" (solid, shelved, pour order 11): 1010,5165
+12V on Int3 (Sign) "NONET_L04_P010" (solid, shelved, pour order 10): 1165,5650 2765,5650 2765,4987.53 1172.47,4987.53 1165,4995
SH_ENC on Int3 (Sign) "NONET_L04_P004" (solid, shelved, pour order 4): 3125,6000 3125,5225 4350,5225 4350,6000
+12V on Int3 (Sign) "NONET_L04_P003" (solid, shelved, pour order 3): 1525,6000 2725,6000 2725,5000 1525,5000
1.8V on Int4 (PWR) "NONET_L05_P013" (solid, shelved, pour order 13): 1165,4970 2810,4970 2810,6000 5500,6000 5500,880 1165,880
-12V on Int4 (PWR) "NONET_L05_P009" (solid, shelved, pour order 9): 1165,5650 2765,5650 2765,4987.53 1172.47,4987.53 1165,4995
GND on Int1 (GND) "NONET_L02_P006" (solid, shelved, pour order 6): 1165,6000 5500,6000 5500,880 1165,880
3.3V on Bottom Layer "NONET_L06_P014" (solid, shelved, pour order 14): 1165,880 1165,6000 5500,6000 5500,880
SH_AGND on Int2 (Sign) "NONET_L03_P021" (solid, shelved, pour order 21): 1433.71,5010 1433.71,5575 2845,5575 2845,5010